# KiCad board panel_0.kicad_pcb (continued)
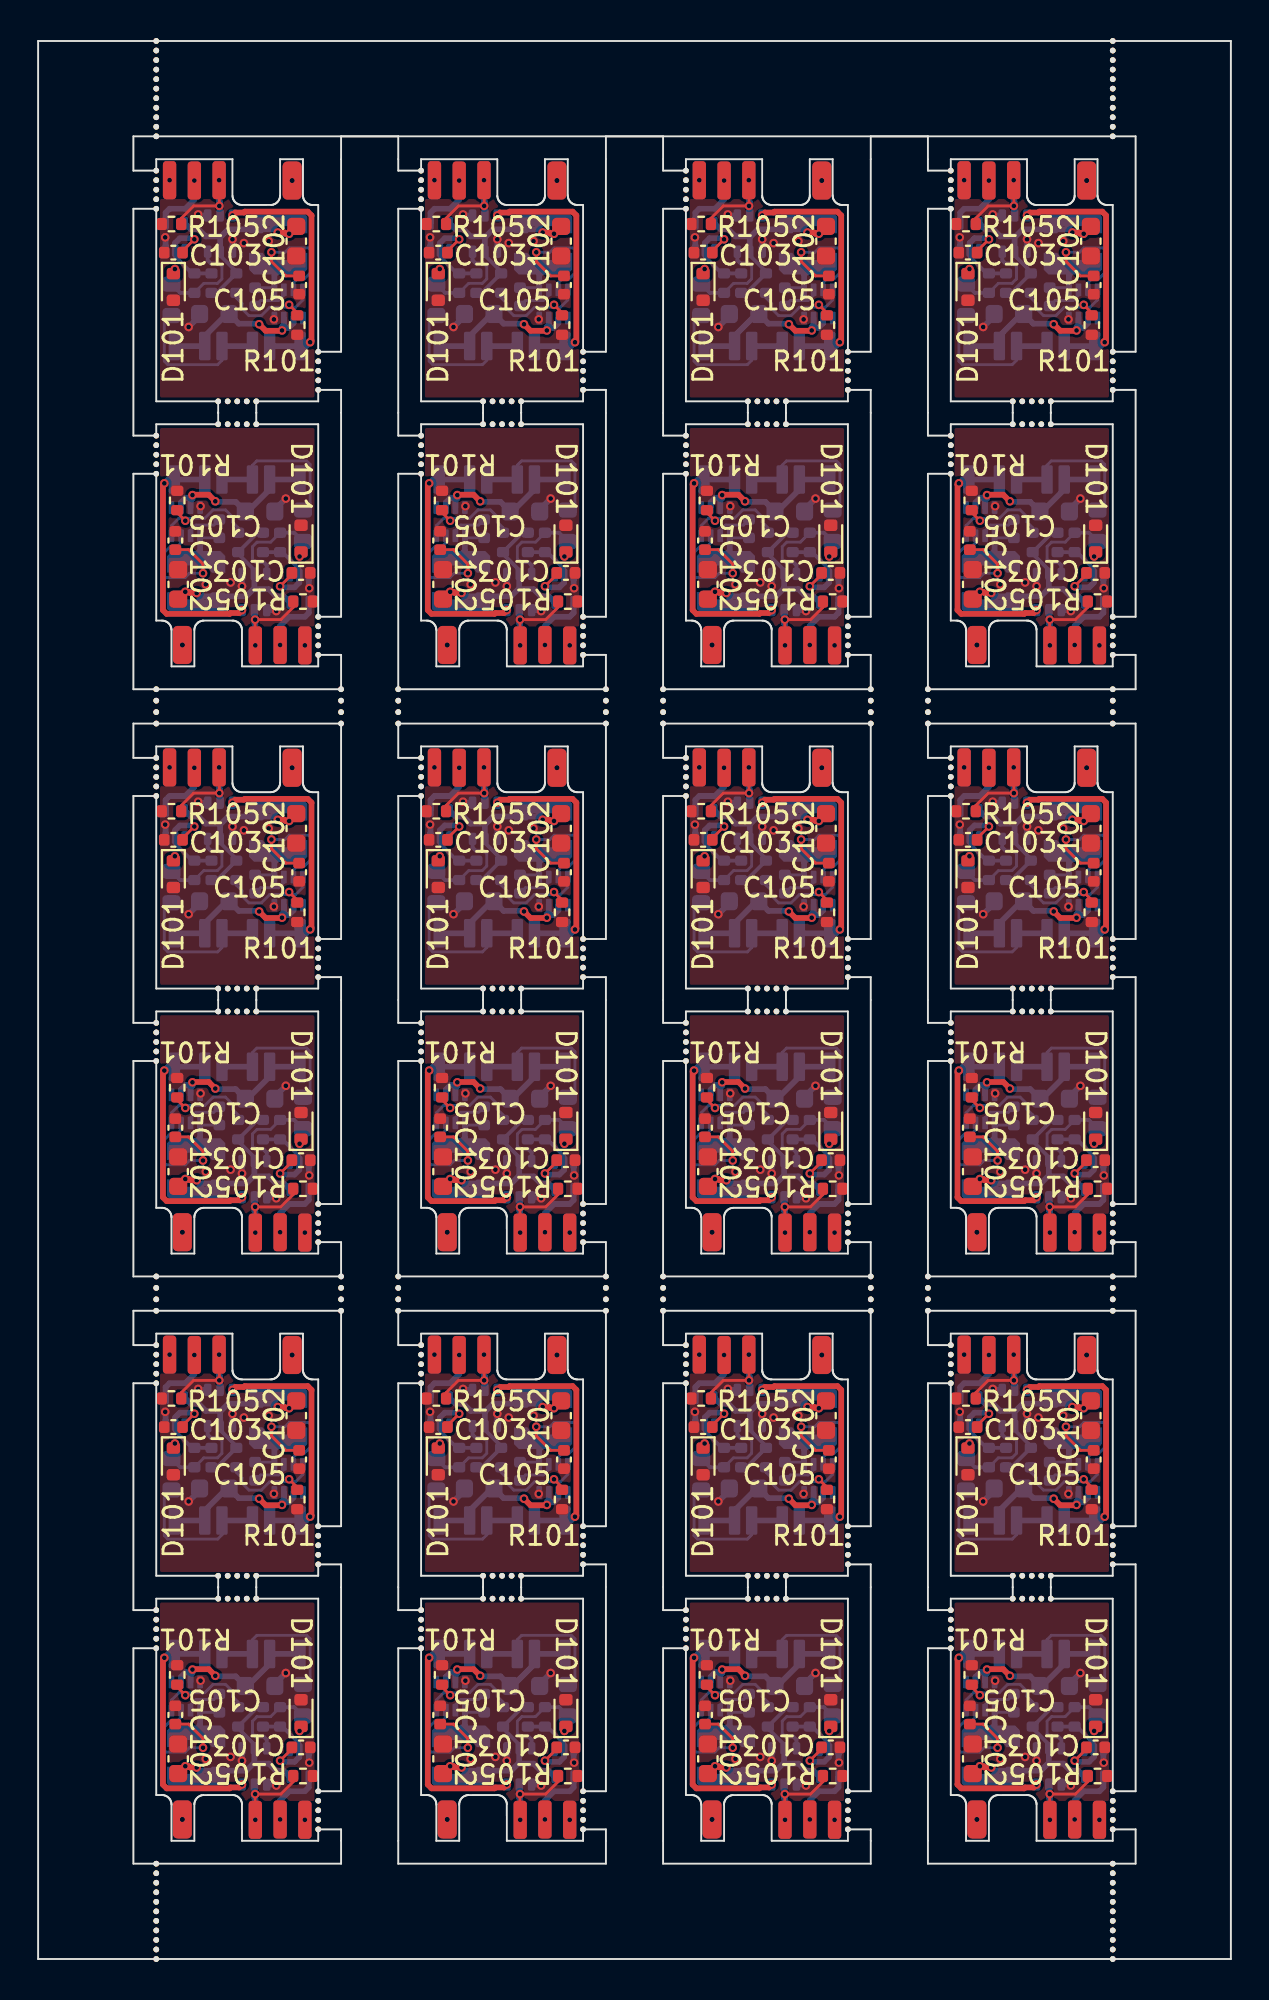
[diagram p0: board, top side]
## Routing (per net, layer and track width the routed paths; a pad name or vN(x,y) marks a point on that pad's centre or on a via; arc(x,y) is an arc through that point) (continued)
  Bottom w0.2: v1(22.42,45.4) 22.4,45.38 U103.4
  Bottom w0.3: C101#2.2 26.33,45.22 v1(26.9,45.8) ; v1(28.13,41.1) 28.11,41.12 U102#17.3 ; v1(26.4,39.9) 26.35,39.95 Q102#6.4 ; Q102#6.1 v1(24.6,41.2)
  vias: v1(22.7,41.3) v1(24,41.4) v1(27.9,38.1)
Board_13-Net-(U103-SS): length 7.2
  Top w0.15: C105#8.1 21.8,43.12 22.55,42.37 v1(22.55,41.88)
  Bottom w0.15: U103.7 21.4,43.48 21.2,43.28 20.83,43.28 20.44,42.89 20.44,41.81 20.6,41.66 21.62,41.66 21.84,41.88 v1(22.55,41.88)
Board_14-+3V3: length 10.3
  Top w0.3: v1(36.12,40.85) 35.77,40.85 35.71,40.91 v1(35.52,40.91)
  Bottom w0.2: Q102.2 39.15,42.05 38.3,42.9 R104#20.1 39.32,44.01 R106#10.1
  Bottom w0.3: Q102.2 39.15,41.1 ; 39.15,41.1 39.2,41.05 39.91,41.05 40.28,40.67 40.69,40.67 U102#7.5 ; 39.15,41.1 38.73,40.68 36.45,40.68 36.1,40.33 L101#10.2
  vias: v1(35.37,38.12) v1(35.37,38.12)
Board_14-/BST: length 2
  Bottom w0.15: U103#9.6 35.8,44.13 36.08,44.41 37.02,44.41 C104#5.1
Board_14-/DBUS: length 8.1
  Bottom w0.15: R103#12.1 42.08,45.58 42.08,47.59 41.89,47.78 39.28,47.78 39.05,47.55 H102#4.1
  Bottom w0.3: H102#4.1 H102#4.1
Board_14-/DBUS_R: length 6.3
  Top w0.15: 41.6,42.84 v1(41.52,42.76)
  Bottom w0.15: v1(41.52,42.76) 41.68,42.76 41.7,42.78 R103#12.2 41.66,43.51 ; 39.25,42.5 39.16,42.5 39.05,42.61 39.05,43.28 39.29,43.51 40,43.51 R102#19.1
  Bottom w0.2: Q102.3 39.8,42.3 39.63,42.47 39.23,42.47 39.18,42.52 ; R103#12.2 41.24,44.01 R102#19.1
Board_14-/FB: length 5.9
  Top w0.15: v1(35.53,44.64) 35.1,45.06 R101#23.1
  Bottom w0.15: U103#9.8 34.8,44.38 35.19,44.77 36.55,44.77 36.98,45.21 37.64,45.21 38,44.84 38,44.57 38.3,44.27 R104#20.2
Board_14-/IN: length 5.1
  Top w0.15: v1(40.5,41.2) 41.12,41.82 C103#8.1
  Bottom w0.2: U102#7.2 41.51,42.1 40.62,42.99 R102#19.2 R106#10.2
  Bottom w0.3: v1(40.5,41.2) 40.56,41.14 41.26,41.14 41.51,41.39 U102#7.2
Board_14-/IO4: length 5.9
  Top w0.15: v1(39.19,39.45) 39.19,38.11 v1(39.2,38.1) ; v1(39.19,39.45) 40.54,39.45 41.19,40.1 R105#10.1 ; v1(39.19,39.45) 39.19,39.55
  Bottom w0.3: v1(39.2,38.1) 39.2,39.2 39.15,39.25 Q102.5
Board_14-/IO5: length 3.3
  Bottom w0.3: v1(40.5,38.12) 40.5,39.12 40.98,39.6 41.8,39.6 42.01,39.81 U102#7.4
Board_14-/SW: length 2.3
  Bottom w0.15: C104#5.2 36.41,43.74 U103#9.5
  Bottom w0.3: L101#10.1 36.1,42.87 36.3,43.07 U103#9.5
Board_14-/V+: length 8.7
  Top w0.3: v1(35.9,45.98) 35.92,46 36.76,46 v1(37.1,45.66)
  Bottom w0.3: U103#9.3 35.8,45.7 35.9,45.8 v1(35.9,45.98) 35.76,45.84 35.54,45.84 35.3,45.6 U103#9.2 ; H101#12.1 H101#12.1 39.95,46.27 38.8,45.12 C101#7.1 38.17,45.63 37.13,45.63 v1(37.1,45.66)
Board_14-/V-: length 13.2
  Top w0.3: v1(38.5,39.95) 38.35,39.8 37.9,39.8 37.85,39.75 34.55,39.75 34.35,39.95 34.35,46.53 v1(34.42,46.6)
  Bottom w0.3: v1(34.42,46.6) 34.62,46.8 H103#14.1 H103#14.1
Board_14-GND: length 2.9
  Bottom w0.2: U103#9.4 36.3,45.38 v1(36.33,45.4)
  Bottom w0.3: C101#7.2 40.23,45.22 v1(40.8,45.8) ; v1(40.3,39.9) 40.25,39.95 Q102.4 ; v1(42.03,41.1) 42.01,41.12 U102#7.3 ; Q102.1 v1(38.5,41.2)
  vias: v1(36.6,41.3) v1(37.9,41.4) v1(41.8,38.1)
Board_14-Net-(U103-SS): length 7.2
  Top w0.15: v1(36.45,41.88) 36.45,42.37 35.7,43.12 C105#20.1
  Bottom w0.15: v1(36.45,41.88) 35.74,41.88 35.52,41.66 34.5,41.66 34.34,41.81 34.34,42.89 34.73,43.28 35.1,43.28 35.3,43.48 U103#9.7
Board_15-+3V3: length 10.3
  Top w0.3: v1(50.02,40.85) 49.67,40.85 49.61,40.91 v1(49.42,40.91)
  Bottom w0.2: R106#18.1 53.22,44.01 R104#24.1 52.2,42.9 53.05,42.05 Q102#14.2
  Bottom w0.3: 53.05,41.1 53.1,41.05 53.81,41.05 54.18,40.67 54.59,40.67 U102#12.5 ; 53.05,41.1 52.63,40.68 50.35,40.68 50,40.33 L101#9.2 ; 53.05,41.1 Q102#14.2
  vias: v1(49.27,38.12) v1(49.27,38.12)
Board_15-/BST: length 2
  Bottom w0.15: U103#23.6 49.7,44.13 49.98,44.41 50.92,44.41 C104#14.1
Board_15-/DBUS: length 8.1
  Bottom w0.15: H102#7.1 52.95,47.55 53.18,47.78 55.79,47.78 55.98,47.59 55.98,45.58 R103.1
  Bottom w0.3: H102#7.1 H102#7.1
Board_15-/DBUS_R: length 6.3
  Top w0.15: 55.5,42.84 v1(55.42,42.76)
  Bottom w0.15: v1(55.42,42.76) 55.58,42.76 55.6,42.78 R103.2 55.56,43.51 ; R102#14.1 53.9,43.51 53.19,43.51 52.95,43.28 52.95,42.61 53.06,42.5 53.15,42.5
  Bottom w0.2: R102#14.1 55.14,44.01 R103.2 ; 53.08,42.52 53.13,42.47 53.53,42.47 53.7,42.3 Q102#14.3
Board_15-/FB: length 5.9
  Top w0.15: v1(49.43,44.64) 49,45.06 R101#17.1
  Bottom w0.15: R104#24.2 52.2,44.27 51.9,44.57 51.9,44.84 51.54,45.21 50.88,45.21 50.45,44.77 49.09,44.77 48.7,44.38 U103#23.8
Board_15-/IN: length 5.1
  Top w0.15: C103#2.1 55.02,41.82 v1(54.4,41.2)
  Bottom w0.2: U102#12.2 55.41,42.1 54.52,42.99 R102#14.2 R106#18.2
  Bottom w0.3: v1(54.4,41.2) 54.46,41.14 55.16,41.14 55.41,41.39 U102#12.2
Board_15-/IO4: length 5.9
  Top w0.15: v1(53.1,38.1) 53.09,38.11 v1(53.09,39.45) ; 53.09,39.55 v1(53.09,39.45) ; v1(53.09,39.45) 54.44,39.45 55.09,40.1 R105#7.1
  Bottom w0.3: v1(53.1,38.1) 53.1,39.2 53.05,39.25 Q102#14.5
Board_15-/IO5: length 3.3
  Bottom w0.3: v1(54.4,38.12) 54.4,39.12 54.88,39.6 55.7,39.6 55.91,39.81 U102#12.4
Board_15-/SW: length 2.3
  Bottom w0.15: C104#14.2 50.31,43.74 U103#23.5
  Bottom w0.3: U103#23.5 50.2,43.07 50,42.87 L101#9.1
Board_15-/V+: length 8.7
  Top w0.3: v1(51,45.66) 50.66,46 49.82,46 v1(49.8,45.98)
  Bottom w0.3: H101#18.1 H101#18.1 53.85,46.27 52.7,45.12 C101#6.1 52.07,45.63 51.03,45.63 v1(51,45.66) ; U103#23.3 49.7,45.7 49.8,45.8 v1(49.8,45.98) 49.66,45.84 49.44,45.84 49.2,45.6 U103#23.2
Board_15-/V-: length 13.2
  Top w0.3: v1(52.4,39.95) 52.25,39.8 51.8,39.8 51.75,39.75 48.45,39.75 48.25,39.95 48.25,46.53 v1(48.33,46.6)
  Bottom w0.3: v1(48.33,46.6) 48.52,46.8 H103#6.1 H103#6.1
Board_15-GND: length 2.9
  Bottom w0.2: v1(50.23,45.4) 50.2,45.38 U103#23.4
  Bottom w0.3: U102#12.3 55.91,41.12 v1(55.93,41.1) ; v1(54.7,45.8) 54.12,45.22 54.12,45.12 ; Q102#14.4 54.15,39.95 v1(54.2,39.9) ; Q102#14.1 v1(52.4,41.2)
  vias: v1(50.5,41.3) v1(51.8,41.4) v1(55.7,38.1)
Board_15-Net-(U103-SS): length 7.2
  Top w0.15: v1(50.35,41.88) 50.35,42.37 49.6,43.12 C105#2.1
  Bottom w0.15: v1(50.35,41.88) 49.64,41.88 49.42,41.66 48.4,41.66 48.24,41.81 48.24,42.89 48.63,43.28 49,43.28 49.2,43.48 U103#23.7
Board_16-+3V3: length 10.3
  Top w0.3: v1(12.58,28.95) 12.93,28.95 12.99,28.89 v1(13.17,28.89)
  Bottom w0.2: Q102#20.2 9.55,27.75 10.4,26.9 R104#7.1 9.38,25.79 R106#14.1
  Bottom w0.3: 9.55,28.7 9.97,29.12 12.25,29.12 12.6,29.47 L101#5.2 ; 9.55,28.7 Q102#20.2 ; 9.55,28.7 9.5,28.75 8.79,28.75 8.42,29.13 8.01,29.13 U102#22.5
  vias: v1(13.33,31.68) v1(13.33,31.68)
Board_16-/BST: length 2
  Bottom w0.15: U103#19.6 12.9,25.67 12.62,25.39 11.68,25.39 C104#2.1
Board_16-/DBUS: length 8.1
  Bottom w0.15: R103#10.1 6.62,24.22 6.62,22.21 6.81,22.02 9.42,22.02 9.65,22.25 H102#13.1
  Bottom w0.3: H102#13.1 H102#13.1
Board_16-/DBUS_R: length 6.3
  Top w0.15: 7.1,26.96 v1(7.18,27.04)
  Bottom w0.15: R102#3.1 8.7,26.29 9.41,26.29 9.65,26.52 9.65,27.19 9.54,27.3 9.45,27.3 ; v1(7.18,27.04) 7.02,27.04 7,27.02 R103#10.2 7.04,26.29
  Bottom w0.2: 9.52,27.28 9.47,27.33 9.07,27.33 8.9,27.5 Q102#20.3 ; R103#10.2 7.46,25.79 R102#3.1
Board_16-/FB: length 5.9
  Top w0.15: R101.1 13.6,24.74 v1(13.17,25.16)
  Bottom w0.15: R104#7.2 10.4,25.53 10.7,25.23 10.7,24.96 11.06,24.59 11.72,24.59 12.15,25.03 13.51,25.03 13.9,25.42 U103#19.8
Board_16-/IN: length 5.1
  Top w0.15: v1(8.2,28.6) 7.58,27.98 C103#10.1
  Bottom w0.2: R106#14.2 R102#3.2 8.08,26.81 7.19,27.7 U102#22.2
  Bottom w0.3: U102#22.2 7.19,28.41 7.44,28.66 8.14,28.66 v1(8.2,28.6)
Board_16-/IO4: length 5.9
  Top w0.15: v1(9.5,31.7) 9.51,31.69 v1(9.51,30.35) ; v1(9.51,30.35) 8.16,30.35 7.51,29.7 R105#12.1 ; v1(9.51,30.35) 9.51,30.25
  Bottom w0.3: Q102#20.5 9.55,30.55 9.5,30.6 v1(9.5,31.7)
Board_16-/IO5: length 3.3
  Bottom w0.3: v1(8.2,31.68) 8.2,30.68 7.72,30.2 6.9,30.2 6.69,29.99 U102#22.4
Board_16-/SW: length 2.3
  Bottom w0.15: C104#2.2 12.29,26.06 U103#19.5
  Bottom w0.3: U103#19.5 12.4,26.73 12.6,26.93 L101#5.1
Board_16-/V+: length 8.7
  Top w0.3: v1(12.8,23.82) 12.78,23.8 11.94,23.8 v1(11.6,24.14)
  Bottom w0.3: U103#19.3 12.9,24.1 12.8,24 v1(12.8,23.82) 12.94,23.96 13.16,23.96 13.4,24.2 U103#19.2 ; v1(11.6,24.14) 11.57,24.17 10.53,24.17 10.02,24.68 9.9,24.68 8.75,23.53 H101#10.1 H101#10.1
Board_16-/V-: length 13.2
  Top w0.3: v1(14.27,23.2) 14.35,23.27 14.35,29.85 14.15,30.05 10.85,30.05 10.8,30 10.35,30 v1(10.2,29.85)
  Bottom w0.3: v1(14.27,23.2) 14.08,23 H103#8.1 H103#8.1
Board_16-GND: length 2.9
  Bottom w0.2: U103#19.4 12.4,24.42 v1(12.37,24.4)
  Bottom w0.3: v1(8.4,29.9) 8.45,29.85 Q102#20.4 ; U102#22.3 6.69,28.68 v1(6.67,28.7) ; C101#22.2 8.47,24.57 v1(7.9,24) ; Q102#20.1 v1(10.2,28.6)
  vias: v1(6.9,31.7) v1(10.8,28.4) v1(12.1,28.5)
Board_16-Net-(U103-SS): length 7.2
  Top w0.15: v1(12.25,27.92) 12.25,27.43 13,26.68 C105#24.1
  Bottom w0.15: v1(12.25,27.92) 12.96,27.92 13.18,28.14 14.2,28.14 14.36,27.99 14.36,26.91 13.97,26.52 13.6,26.52 13.4,26.32 U103#19.7
Board_17-+3V3: length 10.3
  Top w0.3: v1(26.48,28.95) 26.83,28.95 26.89,28.89 v1(27.08,28.89)
  Bottom w0.2: Q102#22.2 23.45,27.75 24.3,26.9 R104#19.1 23.28,25.79 R106#19.1
  Bottom w0.3: 23.45,28.7 23.87,29.12 26.15,29.12 26.5,29.47 L101#2.2 ; 23.45,28.7 23.4,28.75 22.69,28.75 22.32,29.13 21.91,29.13 U102#16.5 ; 23.45,28.7 Q102#22.2
  vias: v1(27.23,31.68) v1(27.23,31.68)
Board_17-/BST: length 2
  Bottom w0.15: C104#8.1 25.58,25.39 26.52,25.39 26.8,25.67 U103#7.6
Board_17-/DBUS: length 8.1
  Bottom w0.15: R103#20.1 20.52,24.22 20.52,22.21 20.71,22.02 23.32,22.02 23.55,22.25 H102#21.1
  Bottom w0.3: H102#21.1 H102#21.1
Board_17-/DBUS_R: length 6.3
  Top w0.15: 21,26.96 v1(21.08,27.04)
  Bottom w0.15: R102#15.1 22.6,26.29 23.31,26.29 23.55,26.52 23.55,27.19 23.44,27.3 23.35,27.3 ; 20.94,26.29 R103#20.2 20.9,27.02 20.92,27.04 v1(21.08,27.04)
  Bottom w0.2: R103#20.2 21.36,25.79 R102#15.1 ; 23.42,27.28 23.37,27.33 22.97,27.33 22.8,27.5 Q102#22.3
Board_17-/FB: length 5.9
  Top w0.15: R101#3.1 27.5,24.74 v1(27.07,25.16)
  Bottom w0.15: R104#19.2 24.3,25.53 24.6,25.23 24.6,24.96 24.96,24.59 25.62,24.59 26.05,25.03 27.41,25.03 27.8,25.42 U103#7.8
Board_17-/IN: length 5.1
  Top w0.15: C103#9.1 21.48,27.98 v1(22.1,28.6)
  Bottom w0.2: R106#19.2 R102#15.2 21.98,26.81 21.09,27.7 U102#16.2
  Bottom w0.3: v1(22.1,28.6) 22.04,28.66 21.34,28.66 21.09,28.41 U102#16.2
Board_17-/IO4: length 5.9
  Top w0.15: v1(23.41,30.35) 23.41,31.69 v1(23.4,31.7) ; v1(23.41,30.35) 23.41,30.25 ; v1(23.41,30.35) 22.06,30.35 21.41,29.7 R105#24.1
  Bottom w0.3: Q102#22.5 23.45,30.55 23.4,30.6 v1(23.4,31.7)
Board_17-/IO5: length 3.3
  Bottom w0.3: v1(22.1,31.68) 22.1,30.68 21.62,30.2 20.8,30.2 20.59,29.99 U102#16.4
Board_17-/SW: length 2.3
  Bottom w0.15: C104#8.2 26.19,26.06 U103#7.5
  Bottom w0.3: U103#7.5 26.3,26.73 26.5,26.93 L101#2.1
Board_17-/V+: length 8.7
  Top w0.3: v1(26.7,23.82) 26.68,23.8 25.84,23.8 v1(25.5,24.14)
  Bottom w0.3: H101#17.1 H101#17.1 22.65,23.53 23.8,24.68 C101#23.1 24.43,24.17 25.47,24.17 v1(25.5,24.14) ; U103#7.2 27.3,24.2 27.06,23.96 26.84,23.96 v1(26.7,23.82) 26.7,24 26.8,24.1 U103#7.3
Board_17-/V-: length 13.2
  Top w0.3: v1(28.17,23.2) 28.25,23.27 28.25,29.85 28.05,30.05 24.75,30.05 24.7,30 24.25,30 v1(24.1,29.85)
  Bottom w0.3: H103#19.1 H103#19.1 27.98,23 v1(28.17,23.2)
Board_17-GND: length 2.9
  Bottom w0.2: U103#7.4 26.3,24.42 v1(26.27,24.4)
  Bottom w0.3: C101#23.2 22.37,24.57 v1(21.8,24) ; v1(22.3,29.9) 22.35,29.85 Q102#22.4 ; v1(20.57,28.7) 20.59,28.68 U102#16.3 ; Q102#22.1 v1(24.1,28.6)
  vias: v1(20.8,31.7) v1(24.7,28.4) v1(26,28.5)
Board_17-Net-(U103-SS): length 7.2
  Top w0.15: v1(26.15,27.92) 26.15,27.43 26.9,26.68 C105#16.1
  Bottom w0.15: v1(26.15,27.92) 26.86,27.92 27.08,28.14 28.1,28.14 28.26,27.99 28.26,26.91 27.87,26.52 27.5,26.52 27.3,26.32 U103#7.7
Board_18-+3V3: length 10.3
  Top w0.3: v1(40.38,28.95) 40.73,28.95 40.79,28.89 v1(40.98,28.89)
  Bottom w0.2: R106#4.1 37.18,25.79 R104.1 38.2,26.9 37.35,27.75 Q102#13.2
  Bottom w0.3: 37.35,28.7 37.3,28.75 36.59,28.75 36.22,29.13 35.81,29.13 U102#21.5 ; 37.35,28.7 37.77,29.12 40.05,29.12 40.4,29.47 L101.2 ; 37.35,28.7 Q102#13.2
  vias: v1(41.13,31.68) v1(41.13,31.68)
Board_18-/BST: length 2
  Bottom w0.15: U103#21.6 40.7,25.67 40.42,25.39 39.48,25.39 C104#21.1
Board_18-/DBUS: length 8.1
  Bottom w0.15: R103#24.1 34.42,24.22 34.42,22.21 34.61,22.02 37.22,22.02 37.45,22.25 H102.1
  Bottom w0.3: H102.1 H102.1
Board_18-/DBUS_R: length 6.3
  Top w0.15: 34.9,26.96 v1(34.98,27.04)
  Bottom w0.15: R102#24.1 36.5,26.29 37.21,26.29 37.45,26.52 37.45,27.19 37.34,27.3 37.25,27.3 ; 34.84,26.29 R103#24.2 34.8,27.02 34.82,27.04 v1(34.98,27.04)
  Bottom w0.2: R103#24.2 35.26,25.79 R102#24.1 ; Q102#13.3 36.7,27.5 36.87,27.33 37.27,27.33 37.32,27.28
Board_18-/FB: length 5.9
  Top w0.15: R101#12.1 41.4,24.74 v1(40.97,25.16)
  Bottom w0.15: R104.2 38.2,25.53 38.5,25.23 38.5,24.96 38.86,24.59 39.52,24.59 39.95,25.03 41.31,25.03 41.7,25.42 U103#21.8
Board_18-/IN: length 5.1
  Top w0.15: v1(36,28.6) 35.38,27.98 C103#14.1
  Bottom w0.2: R106#4.2 R102#24.2 35.88,26.81 34.99,27.7 U102#21.2
  Bottom w0.3: U102#21.2 34.99,28.41 35.24,28.66 35.94,28.66 v1(36,28.6)
Board_18-/IO4: length 5.9
  Top w0.15: R105#2.1 35.31,29.7 35.96,30.35 v1(37.31,30.35) ; 37.31,30.25 v1(37.31,30.35) ; v1(37.31,30.35) 37.31,31.69 v1(37.3,31.7)
  Bottom w0.3: Q102#13.5 37.35,30.55 37.3,30.6 v1(37.3,31.7)
Board_18-/IO5: length 3.3
  Bottom w0.3: U102#21.4 34.49,29.99 34.7,30.2 35.52,30.2 36,30.68 v1(36,31.68)
Board_18-/SW: length 2.3
  Bottom w0.15: U103#21.5 40.09,26.06 C104#21.2
  Bottom w0.3: L101.1 40.4,26.93 40.2,26.73 U103#21.5
Board_18-/V+: length 8.7
  Top w0.3: v1(39.4,24.14) 39.74,23.8 40.58,23.8 v1(40.6,23.82)
  Bottom w0.3: H101#11.1 H101#11.1 36.55,23.53 37.7,24.68 C101#21.1 38.33,24.17 39.37,24.17 v1(39.4,24.14) ; U103#21.3 40.7,24.1 40.6,24 v1(40.6,23.82) 40.74,23.96 40.96,23.96 41.2,24.2 U103#21.2
Board_18-/V-: length 13.2
  Top w0.3: v1(38,29.85) 38.15,30 38.6,30 38.65,30.05 41.95,30.05 42.15,29.85 42.15,23.27 v1(42.08,23.2)
  Bottom w0.3: H103#17.1 H103#17.1 41.87,23 v1(42.08,23.2)
Board_18-GND: length 2.9
  Bottom w0.2: v1(40.17,24.4) 40.2,24.42 U103#21.4
  Bottom w0.3: v1(34.47,28.7) 34.49,28.68 U102#21.3 ; Q102#13.4 36.25,29.85 v1(36.2,29.9) ; Q102#13.1 v1(38,28.6) ; C101#21.2 36.27,24.57 v1(35.7,24)
  vias: v1(34.7,31.7) v1(38.6,28.4) v1(39.9,28.5)
Board_18-Net-(U103-SS): length 7.2
  Top w0.15: C105#22.1 40.8,26.68 40.05,27.43 v1(40.05,27.92)
  Bottom w0.15: v1(40.05,27.92) 40.76,27.92 40.98,28.14 42,28.14 42.16,27.99 42.16,26.91 41.77,26.52 41.4,26.52 41.2,26.32 U103#21.7
Board_19-+3V3: length 10.3
  Top w0.3: v1(54.87,28.89) 54.69,28.89 54.63,28.95 v1(54.28,28.95)
  Bottom w0.2: R106#9.1 51.08,25.79 R104#6.1 52.1,26.9 51.25,27.75 Q102#15.2
  Bottom w0.3: 51.25,28.7 51.2,28.75 50.49,28.75 50.12,29.13 49.71,29.13 U102#19.5 ; 51.25,28.7 51.67,29.12 53.95,29.12 54.3,29.47 L101#7.2 ; 51.25,28.7 Q102#15.2
  vias: v1(55.03,31.68) v1(55.03,31.68)
Board_19-/BST: length 2
  Bottom w0.15: U103#14.6 54.6,25.67 54.32,25.39 53.38,25.39 C104#22.1
Board_19-/DBUS: length 8.1
  Bottom w0.15: H102#5.1 51.35,22.25 51.12,22.02 48.51,22.02 48.32,22.21 48.32,24.22 R103#19.1
  Bottom w0.3: H102#5.1 H102#5.1
Board_19-/DBUS_R: length 6.3
  Top w0.15: 48.8,26.96 v1(48.88,27.04)
  Bottom w0.15: R102#20.1 50.4,26.29 51.11,26.29 51.35,26.52 51.35,27.19 51.24,27.3 51.15,27.3 ; v1(48.88,27.04) 48.72,27.04 48.7,27.02 R103#19.2 48.74,26.29
  Bottom w0.2: Q102#15.3 50.6,27.5 50.77,27.33 51.17,27.33 51.22,27.28 ; R103#19.2 49.16,25.79 R102#20.1
Board_19-/FB: length 5.9
  Top w0.15: v1(54.87,25.16) 55.3,24.74 R101#8.1
  Bottom w0.15: R104#6.2 52.1,25.53 52.4,25.23 52.4,24.96 52.76,24.59 53.42,24.59 53.85,25.03 55.21,25.03 55.6,25.42 U103#14.8
Board_19-/IN: length 5.1
  Top w0.15: v1(49.9,28.6) 49.28,27.98 C103.1
  Bottom w0.2: R106#9.2 R102#20.2 49.78,26.81 48.89,27.7 U102#19.2
  Bottom w0.3: U102#19.2 48.89,28.41 49.14,28.66 49.84,28.66 v1(49.9,28.6)
Board_19-/IO4: length 5.9
  Top w0.15: 51.21,30.25 v1(51.21,30.35) ; v1(51.21,30.35) 49.86,30.35 49.21,29.7 R105#13.1 ; v1(51.21,30.35) 51.21,31.69 v1(51.2,31.7)
  Bottom w0.3: v1(51.2,31.7) 51.2,30.6 51.25,30.55 Q102#15.5
Board_19-/IO5: length 3.3
  Bottom w0.3: v1(49.9,31.68) 49.9,30.68 49.42,30.2 48.6,30.2 48.39,29.99 U102#19.4
Board_19-/SW: length 2.3
  Bottom w0.15: C104#22.2 53.99,26.06 U103#14.5
  Bottom w0.3: U103#14.5 54.1,26.73 54.3,26.93 L101#7.1
Board_19-/V+: length 8.7
  Top w0.3: v1(54.5,23.82) 54.48,23.8 53.64,23.8 v1(53.3,24.14)
  Bottom w0.3: v1(53.3,24.14) 53.27,24.17 52.23,24.17 C101#17.1 51.6,24.68 50.45,23.53 H101#23.1 H101#23.1 ; U103#14.2 55.1,24.2 54.86,23.96 54.64,23.96 v1(54.5,23.82) 54.5,24 54.6,24.1 U103#14.3
Board_19-/V-: length 13.2
  Top w0.3: v1(55.98,23.2) 56.05,23.27 56.05,29.85 55.85,30.05 52.55,30.05 52.5,30 52.05,30 v1(51.9,29.85)
  Bottom w0.3: H103#15.1 H103#15.1 55.77,23 v1(55.98,23.2)
Board_19-GND: length 2.9
  Bottom w0.2: U103#14.4 54.1,24.42 v1(54.08,24.4)
  Bottom w0.3: v1(50.1,29.9) 50.15,29.85 Q102#15.4 ; v1(48.37,28.7) 48.39,28.68 U102#19.3 ; C101#17.2 50.17,24.57 v1(49.6,24) ; Q102#15.1 v1(51.9,28.6)
  vias: v1(48.6,31.7) v1(52.5,28.4) v1(53.8,28.5)
Board_19-Net-(U103-SS): length 7.2
  Top w0.15: C105#13.1 54.7,26.68 53.95,27.43 v1(53.95,27.92)
  Bottom w0.15: U103#14.7 55.1,26.32 55.3,26.52 55.67,26.52 56.06,26.91 56.06,27.99 55.9,28.14 54.88,28.14 54.66,27.92 v1(53.95,27.92)
Board_20-+3V3: length 10.3
  Top w0.3: v1(7.72,10.11) 7.91,10.11 7.97,10.05 v1(8.32,10.05)
  Bottom w0.2: Q102#9.2 11.35,11.25 10.5,12.1 R104#23.1 11.52,13.21 R106#17.1
  Bottom w0.3: 11.35,10.3 10.93,9.88 8.65,9.88 8.3,9.53 L101#12.2 ; 11.35,10.3 Q102#9.2 ; 11.35,10.3 11.4,10.25 12.11,10.25 12.48,9.87 12.89,9.87 U102#6.5
  vias: v1(7.57,7.32) v1(7.57,7.32)
Board_20-/BST: length 2
  Bottom w0.15: C104#16.1 9.22,13.61 8.28,13.61 8,13.33 U103#2.6
Board_20-/DBUS: length 8.1
  Bottom w0.15: R103#11.1 14.28,14.78 14.28,16.79 14.09,16.98 11.48,16.98 11.25,16.75 H102#6.1
  Bottom w0.3: H102#6.1 H102#6.1
Board_20-/DBUS_R: length 6.3
  Top w0.15: 13.8,12.04 v1(13.72,11.96)
  Bottom w0.15: R102#2.1 12.2,12.71 11.49,12.71 11.25,12.48 11.25,11.81 11.36,11.7 11.45,11.7 ; 13.86,12.71 R103#11.2 13.9,11.98 13.88,11.96 v1(13.72,11.96)
  Bottom w0.2: Q102#9.3 12,11.5 11.83,11.67 11.43,11.67 11.38,11.72 ; R102#2.1 13.44,13.21 R103#11.2
Board_20-/FB: length 5.9
  Top w0.15: R101#11.1 7.3,14.26 v1(7.73,13.84)
  Bottom w0.15: R104#23.2 10.5,13.47 10.2,13.77 10.2,14.04 9.84,14.41 9.18,14.41 8.75,13.97 7.39,13.97 7,13.58 U103#2.8
Board_20-/IN: length 5.1
  Top w0.15: C103#23.1 13.32,11.02 v1(12.7,10.4)
  Bottom w0.2: R106#17.2 R102#2.2 12.82,12.19 13.71,11.3 U102#6.2
  Bottom w0.3: U102#6.2 13.71,10.59 13.46,10.34 12.76,10.34 v1(12.7,10.4)
Board_20-/IO4: length 5.9
  Top w0.15: v1(11.39,8.65) 11.39,7.31 v1(11.4,7.3) ; v1(11.39,8.65) 12.74,8.65 13.39,9.3 R105#18.1 ; v1(11.39,8.65) 11.39,8.75
  Bottom w0.3: Q102#9.5 11.35,8.45 11.4,8.4 v1(11.4,7.3)
Board_20-/IO5: length 3.3
  Bottom w0.3: U102#6.4 14.21,9.01 14,8.8 13.18,8.8 12.7,8.32 v1(12.7,7.32)
Board_20-/SW: length 2.3
  Bottom w0.15: C104#16.2 8.61,12.94 U103#2.5
  Bottom w0.3: U103#2.5 8.5,12.27 8.3,12.07 L101#12.1
Board_20-/V+: length 8.7
  Top w0.3: v1(9.3,14.86) 8.96,15.2 8.12,15.2 v1(8.1,15.18)
  Bottom w0.3: U103#2.2 7.5,14.8 7.74,15.04 7.96,15.04 v1(8.1,15.18) 8.1,15 8,14.9 U103#2.3 ; H101#19.1 H101#19.1 12.15,15.47 11,14.32 C101#16.1 10.37,14.83 9.33,14.83 v1(9.3,14.86)
Board_20-/V-: length 13.2
  Top w0.3: v1(10.7,9.15) 10.55,9 10.1,9 10.05,8.95 6.75,8.95 6.55,9.15 6.55,15.73 v1(6.62,15.8)
  Bottom w0.3: v1(6.62,15.8) 6.83,16 H103#20.1 H103#20.1
Board_20-GND: length 2.9
  Bottom w0.2: U103#2.4 8.5,14.57 v1(8.52,14.6)
  Bottom w0.3: U102#6.3 14.21,10.32 v1(14.23,10.3) ; Q102#9.4 12.45,9.15 v1(12.5,9.1) ; Q102#9.1 v1(10.7,10.4) ; C101#16.2 12.42,14.42 v1(13,15)
  vias: v1(8.8,10.5) v1(10.1,10.6) v1(14,7.3)
Board_20-Net-(U103-SS): length 7.2
  Top w0.15: C105#21.1 7.9,12.32 8.65,11.57 v1(8.65,11.08)
  Bottom w0.15: v1(8.65,11.08) 7.94,11.08 7.72,10.86 6.7,10.86 6.54,11.01 6.54,12.09 6.93,12.48 7.3,12.48 7.5,12.68 U103#2.7
Board_21-+3V3: length 10.3
  Top w0.3: v1(22.22,10.05) 21.87,10.05 21.81,10.11 v1(21.62,10.11)
  Bottom w0.2: Q102#19.2 25.25,11.25 24.4,12.1 R104#13.1 25.42,13.21 R106#8.1
  Bottom w0.3: 25.25,10.3 25.3,10.25 26.01,10.25 26.38,9.87 26.79,9.87 U102#13.5 ; 25.25,10.3 24.83,9.88 22.55,9.88 22.2,9.53 L101#17.2 ; 25.25,10.3 Q102#19.2
  vias: v1(21.47,7.32) v1(21.47,7.32)
Board_21-/BST: length 2
  Bottom w0.15: C104#7.1 23.12,13.61 22.18,13.61 21.9,13.33 U103#18.6
Board_21-/DBUS: length 8.1
  Bottom w0.15: H102#11.1 25.15,16.75 25.38,16.98 27.99,16.98 28.18,16.79 28.18,14.78 R103#6.1
  Bottom w0.3: H102#11.1 H102#11.1
Board_21-/DBUS_R: length 6.3
  Top w0.15: 27.7,12.04 v1(27.62,11.96)
  Bottom w0.15: R102#16.1 26.1,12.71 25.39,12.71 25.15,12.48 25.15,11.81 25.26,11.7 25.35,11.7 ; v1(27.62,11.96) 27.78,11.96 27.8,11.98 R103#6.2 27.76,12.71
  Bottom w0.2: Q102#19.3 25.9,11.5 25.73,11.67 25.33,11.67 25.28,11.72 ; R102#16.1 27.34,13.21 R103#6.2
Board_21-/FB: length 5.9
  Top w0.15: v1(21.63,13.84) 21.2,14.26 R101#19.1
  Bottom w0.15: R104#13.2 24.4,13.47 24.1,13.77 24.1,14.04 23.74,14.41 23.08,14.41 22.65,13.97 21.29,13.97 20.9,13.58 U103#18.8
Board_21-/IN: length 5.1
  Top w0.15: v1(26.6,10.4) 27.22,11.02 C103#13.1
  Bottom w0.2: U102#13.2 27.61,11.3 26.72,12.19 R102#16.2 R106#8.2
  Bottom w0.3: U102#13.2 27.61,10.59 27.36,10.34 26.66,10.34 v1(26.6,10.4)
Board_21-/IO4: length 5.9
  Top w0.15: 25.29,8.75 v1(25.29,8.65) ; v1(25.29,8.65) 25.29,7.31 v1(25.3,7.3) ; v1(25.29,8.65) 26.64,8.65 27.29,9.3 R105#4.1
  Bottom w0.3: v1(25.3,7.3) 25.3,8.4 25.25,8.45 Q102#19.5
Board_21-/IO5: length 3.3
  Bottom w0.3: v1(26.6,7.32) 26.6,8.32 27.08,8.8 27.9,8.8 28.11,9.01 U102#13.4
Board_21-/SW: length 2.3
  Bottom w0.15: C104#7.2 22.51,12.94 U103#18.5
  Bottom w0.3: L101#17.1 22.2,12.07 22.4,12.27 U103#18.5
Board_21-/V+: length 8.7
  Top w0.3: v1(23.2,14.86) 22.86,15.2 22.02,15.2 v1(22,15.18)
  Bottom w0.3: U103#18.2 21.4,14.8 21.64,15.04 21.86,15.04 v1(22,15.18) 22,15 21.9,14.9 U103#18.3 ; v1(23.2,14.86) 23.23,14.83 24.27,14.83 C101#14.1 24.9,14.32 26.05,15.47 H101#3.1 H101#3.1
Board_21-/V-: length 13.2
  Top w0.3: v1(20.52,15.8) 20.45,15.73 20.45,9.15 20.65,8.95 23.95,8.95 24,9 24.45,9 v1(24.6,9.15)
  Bottom w0.3: v1(20.52,15.8) 20.73,16 H103#13.1 H103#13.1
Board_21-GND: length 2.9
  Bottom w0.2: U103#18.4 22.4,14.57 v1(22.42,14.6)
  Bottom w0.3: C101#14.2 26.33,14.42 v1(26.9,15) ; Q102#19.4 26.35,9.15 v1(26.4,9.1) ; v1(28.13,10.3) 28.11,10.32 U102#13.3 ; Q102#19.1 v1(24.6,10.4)
  vias: v1(22.7,10.5) v1(24,10.6) v1(27.9,7.3)
Board_21-Net-(U103-SS): length 7.2
  Top w0.15: C105#14.1 21.8,12.32 22.55,11.57 v1(22.55,11.08)
  Bottom w0.15: U103#18.7 21.4,12.68 21.2,12.48 20.83,12.48 20.44,12.09 20.44,11.01 20.6,10.86 21.62,10.86 21.84,11.08 v1(22.55,11.08)
Board_22-+3V3: length 10.3
  Top w0.3: v1(35.52,10.11) 35.71,10.11 35.77,10.05 v1(36.12,10.05)
  Bottom w0.2: Q102#21.2 39.15,11.25 38.3,12.1 R104#8.1 39.32,13.21 R106#11.1
  Bottom w0.3: L101#8.2 36.1,9.53 36.45,9.88 38.73,9.88 39.15,10.3 ; U102#18.5 40.69,9.87 40.28,9.87 39.91,10.25 39.2,10.25 39.15,10.3 ; 39.15,10.3 Q102#21.2
  vias: v1(35.37,7.32) v1(35.37,7.32)
Board_22-/BST: length 2
  Bottom w0.15: C104#10.1 37.02,13.61 36.08,13.61 35.8,13.33 U103#20.6
Board_22-/DBUS: length 8.1
  Bottom w0.15: H102#12.1 39.05,16.75 39.28,16.98 41.89,16.98 42.08,16.79 42.08,14.78 R103#5.1
  Bottom w0.3: H102#12.1 H102#12.1
Board_22-/DBUS_R: length 6.3
  Top w0.15: 41.6,12.04 v1(41.52,11.96)
  Bottom w0.15: R102#9.1 40,12.71 39.29,12.71 39.05,12.48 39.05,11.81 39.16,11.7 39.25,11.7 ; v1(41.52,11.96) 41.68,11.96 41.7,11.98 R103#5.2 41.66,12.71
  Bottom w0.2: 39.18,11.72 39.23,11.67 39.63,11.67 39.8,11.5 Q102#21.3 ; R102#9.1 41.24,13.21 R103#5.2
Board_22-/FB: length 5.9
  Top w0.15: v1(35.53,13.84) 35.1,14.26 R101#20.1
  Bottom w0.15: U103#20.8 34.8,13.58 35.19,13.97 36.55,13.97 36.98,14.41 37.64,14.41 38,14.04 38,13.77 38.3,13.47 R104#8.2
Board_22-/IN: length 5.1
  Top w0.15: C103#22.1 41.12,11.02 v1(40.5,10.4)
  Bottom w0.2: R106#11.2 R102#9.2 40.62,12.19 41.51,11.3 U102#18.2
  Bottom w0.3: v1(40.5,10.4) 40.56,10.34 41.26,10.34 41.51,10.59 U102#18.2
Board_22-/IO4: length 5.9
  Top w0.15: R105#20.1 41.19,9.3 40.54,8.65 v1(39.19,8.65) ; 39.19,8.75 v1(39.19,8.65) ; v1(39.19,8.65) 39.19,7.31 v1(39.2,7.3)
  Bottom w0.3: Q102#21.5 39.15,8.45 39.2,8.4 v1(39.2,7.3)
Board_22-/IO5: length 3.3
  Bottom w0.3: v1(40.5,7.32) 40.5,8.32 40.98,8.8 41.8,8.8 42.01,9.01 U102#18.4
Board_22-/SW: length 2.3
  Bottom w0.15: U103#20.5 36.41,12.94 C104#10.2
  Bottom w0.3: U103#20.5 36.3,12.27 36.1,12.07 L101#8.1
Board_22-/V+: length 8.7
  Top w0.3: v1(35.9,15.18) 35.92,15.2 36.76,15.2 v1(37.1,14.86)
  Bottom w0.3: U103#20.2 35.3,14.8 35.54,15.04 35.76,15.04 v1(35.9,15.18) 35.9,15 35.8,14.9 U103#20.3 ; H101#7.1 H101#7.1 39.95,15.47 38.8,14.32 C101#24.1 38.17,14.83 37.13,14.83 v1(37.1,14.86)
Board_22-/V-: length 13.2
  Top w0.3: v1(34.42,15.8) 34.35,15.73 34.35,9.15 34.55,8.95 37.85,8.95 37.9,9 38.35,9 v1(38.5,9.15)
  Bottom w0.3: H103#11.1 H103#11.1 34.62,16 v1(34.42,15.8)
